# Altium PCB MB_PCB.PcbDoc (part 1 of 4)
Units mm, origin at the board's own origin, x right, y up, seen from the top; angles counter-clockwise.
Board outline 140 x 163 mm, 2 copper layers (Top Layer, Bottom Layer); 363 components, 293 nets, 1486 pads, 1369 vias.
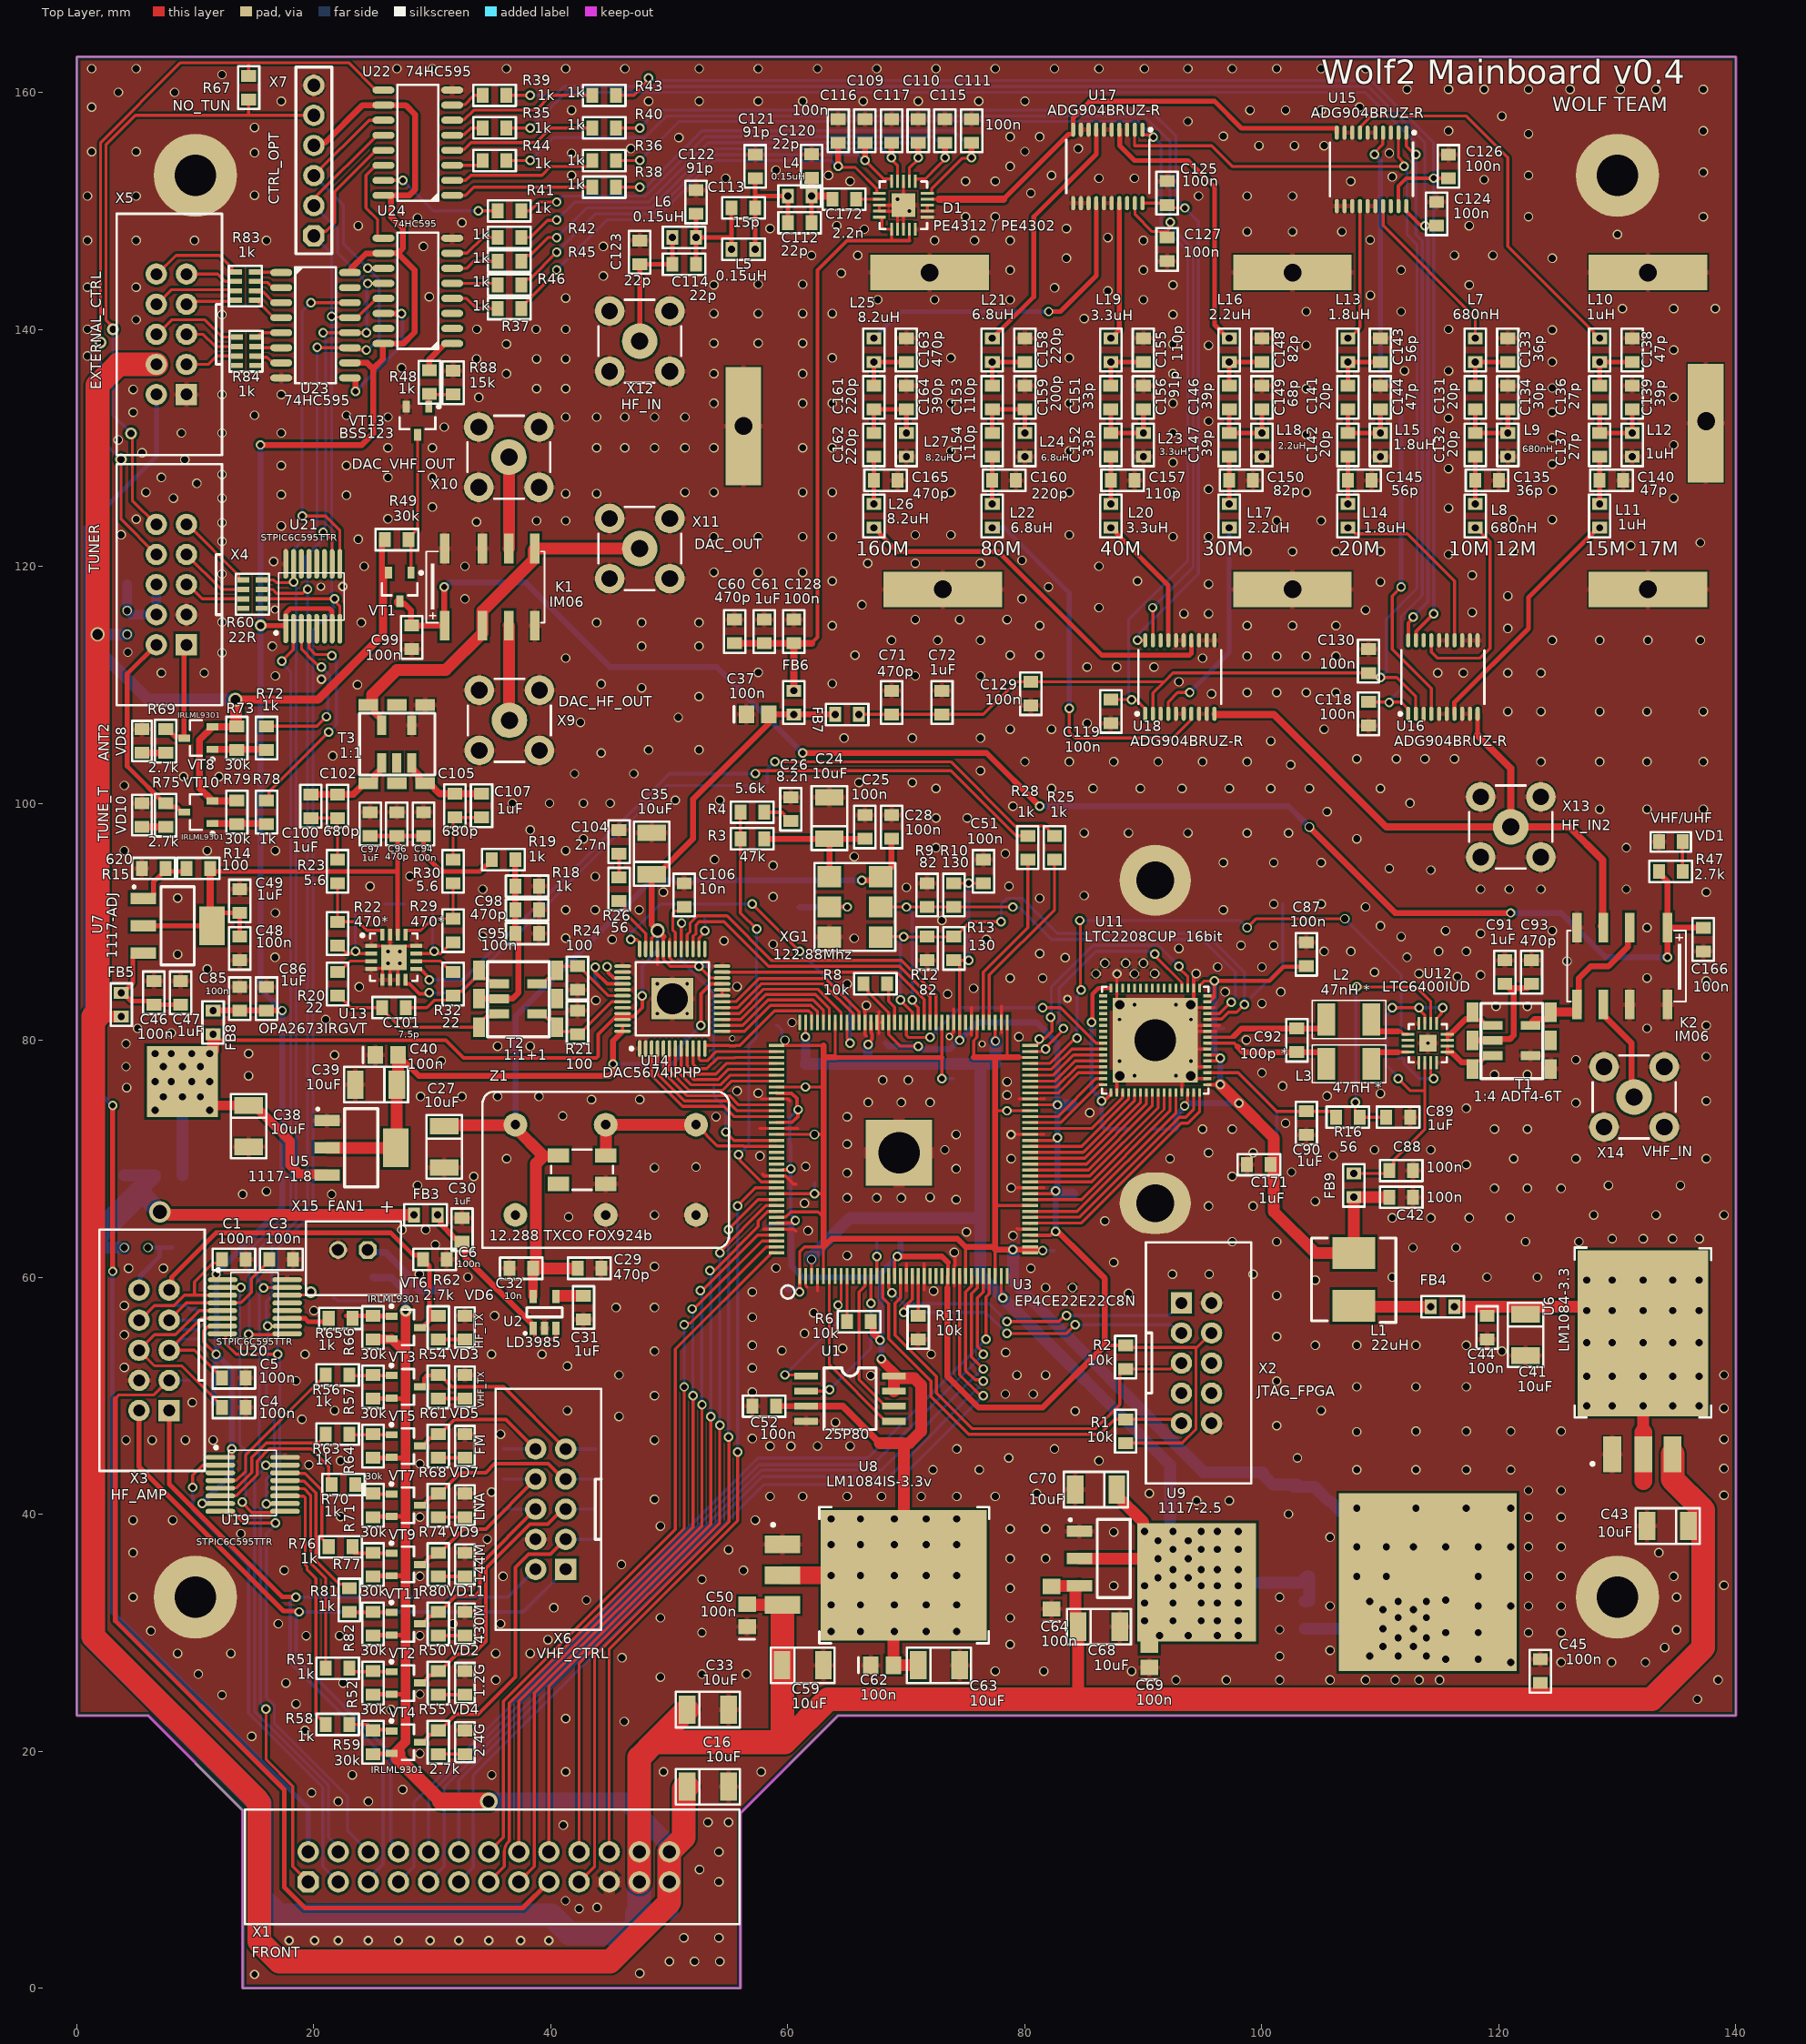
[diagram p0: Top Layer view]
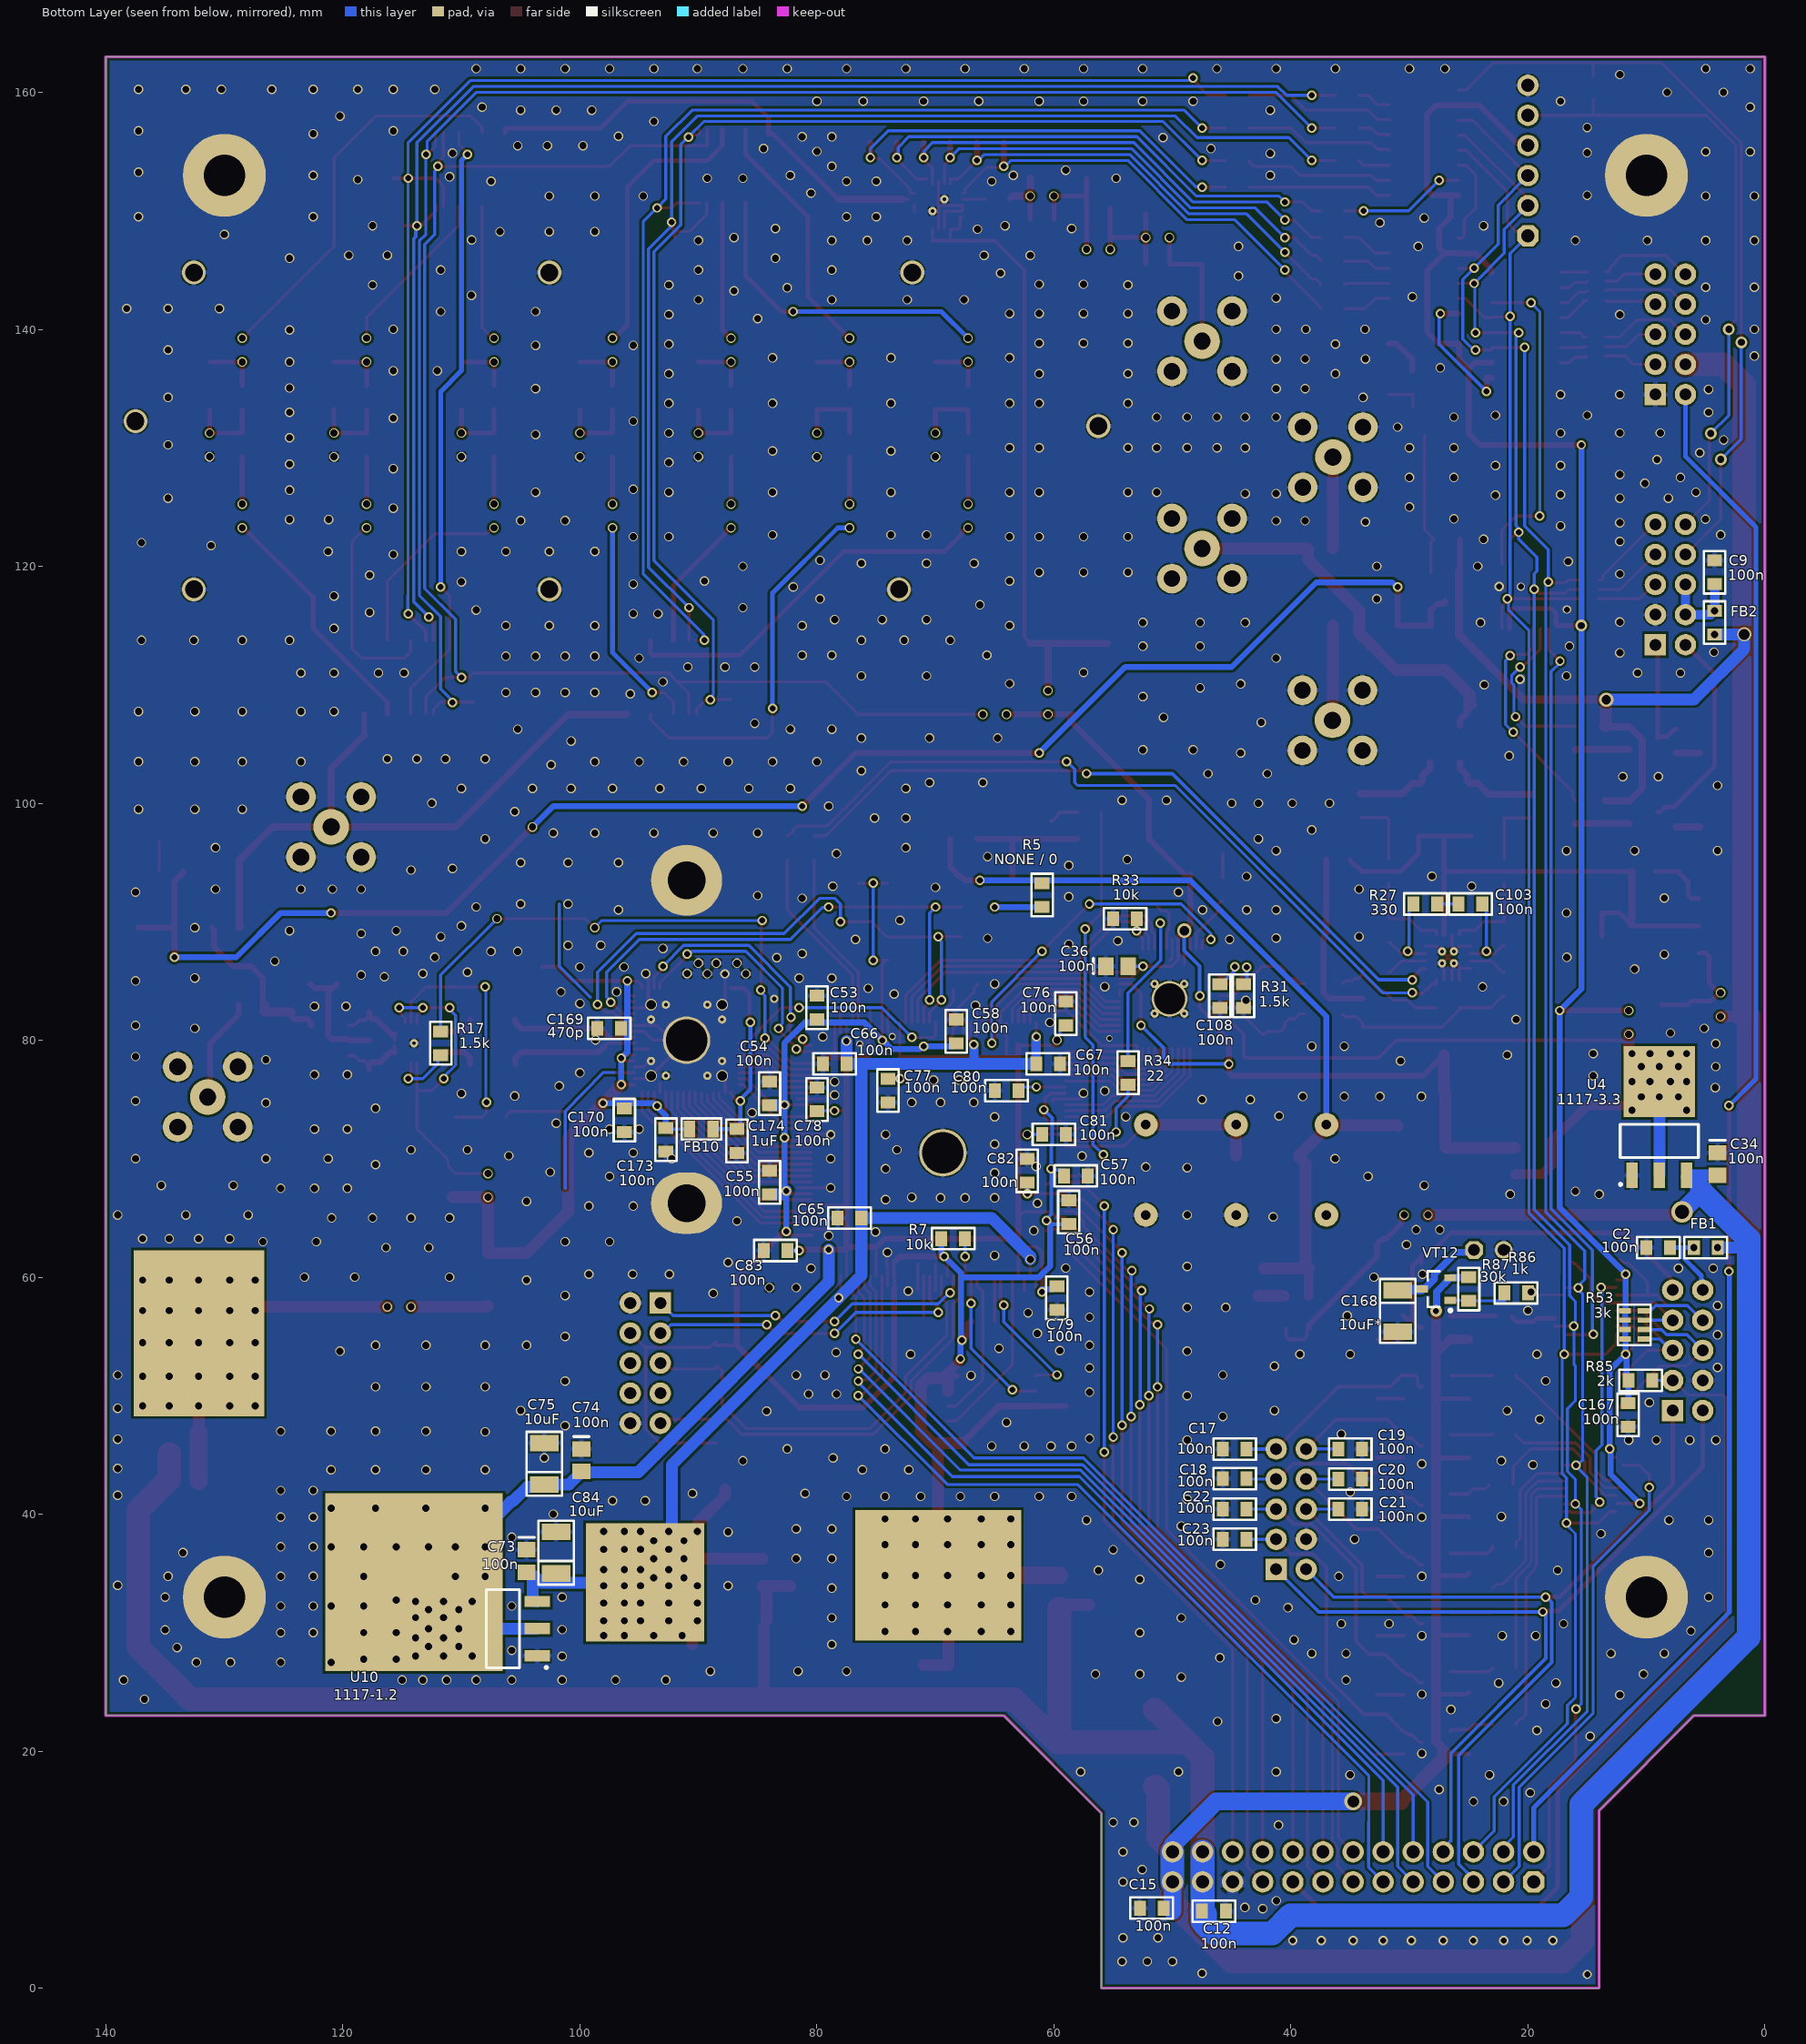
[diagram p1: Bottom Layer view, seen from below]
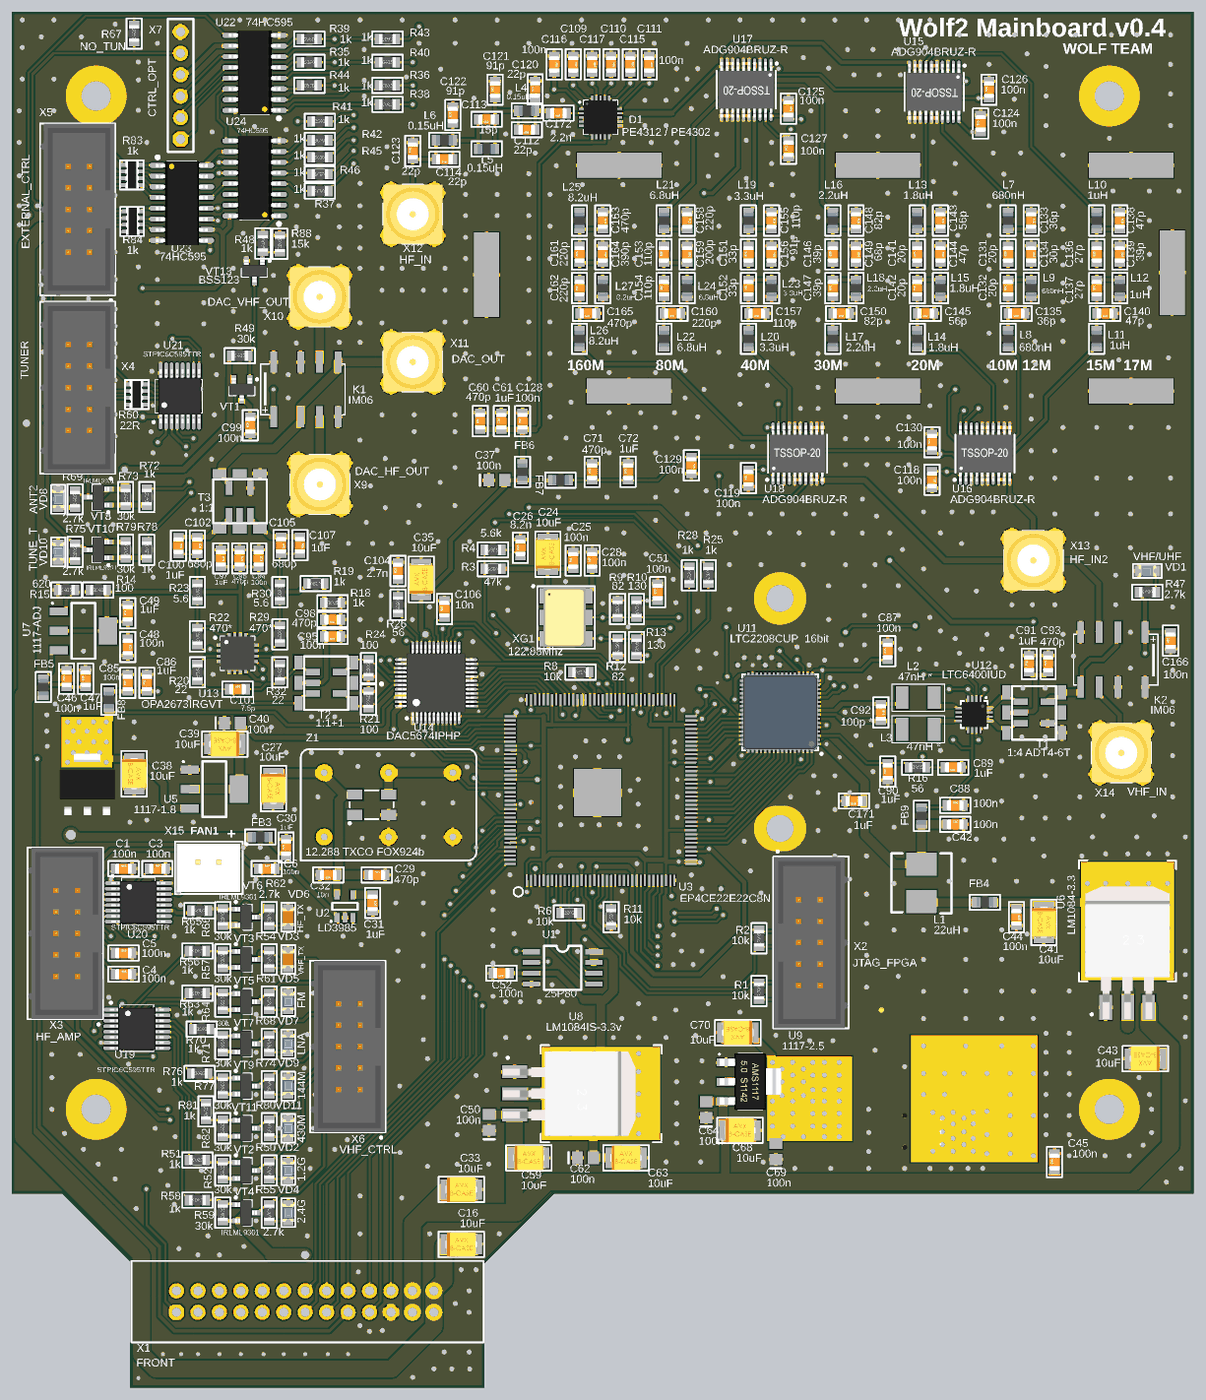
[diagram p5: 3D render of the assembled board from above, using the file's embedded part models]
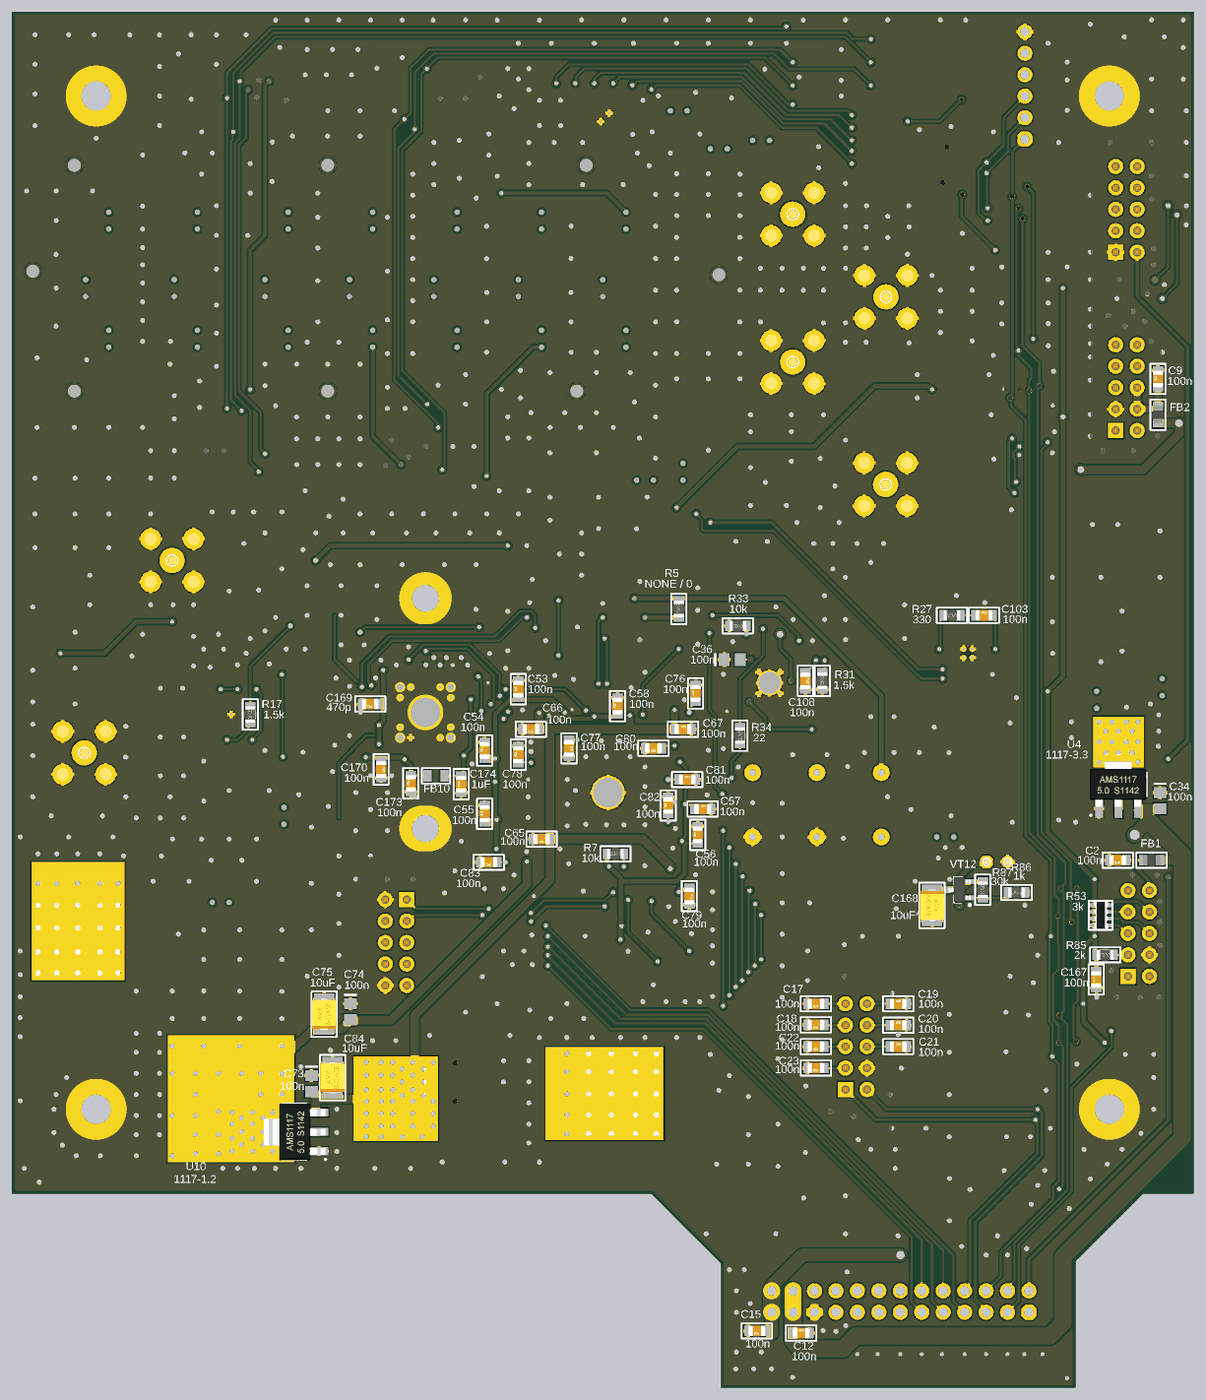
[diagram p6: 3D render of the assembled board from below, using the file's embedded part models]

## Layer stack, top to bottom
Top Solder: solder mask 0.0102, Solder Resist, Dk 3.5
Top Layer: signal copper 0.0356
Dielectric 1: dielectric 0.32, FR-4, Dk 4.8
Bottom Layer: signal copper 0.0356
Bottom Solder: solder mask 0.0102, Solder Resist, Dk 3.5

## Board outline
14,15 6,23 0,23 0,163 140,163 140,23 64.25,23 56,14.75 56,0 14,0

## Design rules (kind name [scope] priority, off if disabled: settings)
Clearance Power [InNetClass('Power')] p1: gap=0.254 ignorepadtopadclearanceinfootprint=FALSE
Clearance [All] p2: gap=0.2 ignorepadtopadclearanceinfootprint=FALSE
PlaneConnect [All] p1: planeconnectstyle=Relief reliefexpansion=0.508 reliefentries=4 reliefconductorwidth=0.254 reliefairgap=0.127
PolygonConnect [All] p1: connectstyle=Relief reliefconductorwidth=0.4 reliefentries=4 polygonreliefangle="90 Angle" airgapwidth=0.127
RoutingVias [All] p1: holewidth=0.711 width=1.27 viastyle="Through Hole" minholewidth=0.711 minwidth=1.27 maxholewidth=0.711 maxwidth=1.27
SolderMaskExpansion [All] p1: expansion=0.102 istentingtop=FALSE
Width Width_Power_2 [All] p1: maxlimit=2 minlimit=0.254 preferedwidth=0.8
Width Width_Power [InNetClass('Power')] p2: maxlimit=2 minlimit=0.254 preferedwidth=2
Width [All] p3: maxlimit=2 minlimit=0.254 preferedwidth=0.4
29 further rules are at their usual default settings.

## Classes and differential pairs
component class MB_RF: C109 C110 C111 C112 C113 C114 C115 C116 C117 C118 C119 C120 C121 C122 C123 C124 C125 C126 C127 C128 C129 C130 C131 C132 C133 C134 C135 C136 C137 C138 C139 C140 C141 C142 C143 C144 C145 C146 C147 C148 C149 C150 C151 C152 C153 C154 C155 C156 C157 C158 C159 C160 C161 C162 C163 C164 C165 C166 C172 D1 K2 L4 L5 L6 L7 L8 L9 L10 L11 L12 L13 L14 L15 L16 L17 L18 L19 L20 L21 L22 L23 L24 L25 L26 L27 R35 R36 R37 R38 R39 R40 R41 R42 R43 R44 R45 R46 U15 U16 U17 U18 X12 X13 X14
component class MB_Power: C33 C34 C35 C36 C37 C38 C39 C40 C41 C42 C43 C44 C45 C46 C47 C48 C49 C50 C51 C52 C53 C54 C55 C56 C57 C58 C59 C60 C61 C62 C63 C64 C65 C66 C67 C68 C69 C70 C71 C72 C73 C74 C75 C76 C77 C78 C79 C80 C81 C82 C83 C84 C85 C86 FB4 FB5 FB6 FB7 FB8 L1 R14 R15 U4 U5 U6 U7 U8 U9 U10
component class MB_FPGA: C24 C25 C26 C27 C28 C29 C30 C31 C32 FB3 R3 R4 R5 R6 R7 R8 R9 R10 R11 R12 R13 U1 U2 U3 XG1 Z1
component class MB_DAC: C94 C95 C96 C97 C98 C99 C100 C101 C102 C103 C104 C105 C106 C107 C108 K1 R18 R19 R20 R21 R22 R23 R24 R25 R26 R27 R28 R29 R30 R31 R32 R33 R34 T2 T3 U13 U14 X9 X10 X11
component class MB_Control: C168 R47 R48 R49 R50 R51 R52 R53 R54 R55 R56 R57 R58 R59 R60 R61 R62 R63 R64 R65 R66 R67 R68 R69 R70 R71 R72 R73 R74 R75 R76 R77 R78 R79 R80 R81 R82 R83 R84 R86 R87 R88 U19 U20 U21 U22 U23 U24 VD1 VD2 VD3 VD4 VD5 VD6 VD7 VD8 VD9 VD10 VD11 VT1 VT2 VT3 VT4 VT5 VT6 VT7 VT8 VT9 VT10 VT11 VT12 VT13 X15
component class MB_Conn: C1 C2 C3 C4 C5 C6 C9 C12 C15 C16 C17 C18 C19 C20 C21 C22 C23 C167 FB1 FB2 R1 R2 R85 X1 X2 X3 X4 X5 X6 X7
component class MB_ADC: C87 C88 C89 C90 C91 C92 C93 C169 C170 C171 C173 C174 FB9 FB10 L2 L3 R16 R17 T1 U11 U12

## Components (designator, comment, footprint, x,y, rotation, side; value= is the part's Value field where it differs from the comment)
C1 "100n" CH0805C 13.25,61.5 r0 top
C2 "100n" CH0805C 9,62.5 r0 bottom
C3 "100n" CH0805C 17.25,61.5 r0 top
C4 "100n" CH0805C 13.25,49 r0 top
C5 "100n" CH0805C 13.25,51.5 r0 top
C6 "100n" CH0805C 30.2,61.5 r0 top
C9 "100n" CH0805C 4.25,119.5 r90 bottom
C12 "100n" CH0805C 46.5,6.5 r180 bottom
C15 "100n" CH0805C 51.75,6.75 r0 bottom
C16 "10uF" TANTAL_B 53.25,17 r0 top
C17 "100n" CH0805C 44.75,45.5 r0 bottom
C18 "100n" CH0805C 44.75,43 r0 bottom
C19 "100n" CH0805C 35,45.5 r180 bottom
C20 "100n" CH0805C 35,42.96 r180 bottom
C21 "100n" CH0805C 35,40.42 r180 bottom
C22 "100n" CH0805C 44.75,40.42 r0 bottom
C23 "100n" CH0805C 44.75,37.88 r0 bottom
C24 "10uF" TANTAL_B 63.5,98.75 r90 top
C25 "100n" CH0805C 66.5,98 r90 top
C26 "8.2n" CH0805C 60.25,99.5 r90 top
C27 "10uF" TANTAL_B 31,71 r270 top
C28 "100n" CH0805C 68.75,98 r90 top
C29 "470p" CH0805C 43.25,60.75 r0 top
C30 "1uF" CH0805C 32.5,64 r90 top
C31 "1uF" CH0805C 42.75,57.435 r270 top
C32 "10n" CH0805C 37.5,60.75 r180 top
C33 "10uF" TANTAL_B 53.25,23.5 r0 top
C34 "100n" CAP_0805 4,69.75 r270 bottom
C35 "10uF" TANTAL_B 48.5,95.75 r90 top
C36 "100n" CAP_0805 54.875,86.25 r180 bottom
C37 "100n" CAP_0805 57.25,107.5 r0 top
C38 "10uF" TANTAL_B 14.5,72.75 r270 top
C39 "10uF" TANTAL_B 25.25,76.25 r180 top
C40 "100n" CAP_0805 25.95,78.75 r0 top
C41 "10uF" TANTAL_B 122.25,55.133 r270 top
C42 "100n" CH0805C 111.75,66.746 r0 top
C43 "10uF" TANTAL_B 134.25,39 r180 top
C44 "100n" CH0805C 119,55.75 r270 top
C45 "100n" CH0805C 123.5,26.75 r90 top
C46 "100n" CH0805C 6.5,84 r90 top
C47 "1uF" CH0805C 8.75,84 r90 top
C48 "100n" CH0805C 13.75,87.75 r270 top
C49 "1uF" CH0805C 13.75,91.75 r90 top
C50 "100n" CAP_0805 56.55,31.25 r90 top
C51 "100n" CH0805C 76.5,94.25 r90 top
C52 "100n" CH0805C 58,49.115 r180 top
C53 "100n" CH0805C 80,82.75 r90 bottom
C54 "100n" CH0805C 84,75.5 r90 bottom
C55 "100n" CH0805C 84,68 r90 bottom
C56 "100n" CH0805C 58.75,65.5 r90 bottom
C57 "100n" CH0805C 58.158,68.55 r180 bottom
C58 "100n" CH0805C 68.25,80.75 r90 bottom
C59 "10uF" TANTAL_B 61.25,27.25 r0 top
C60 "470p" CH0805C 55.5,114.5 r90 top
C61 "1uF" CH0805C 58,114.5 r90 top
C62 "100n" CAP_0805 67.75,27.25 r0 top
C63 "10uF" TANTAL_B 72.75,27.25 r0 top
C64 "100n" CAP_0805 82.25,32.75 r90 top
C65 "100n" CH0805C 77.25,65 r0 bottom
C66 "100n" CH0805C 78.5,78 r0 bottom
C67 "100n" CH0805C 60.5,78 r180 bottom
C68 "10uF" TANTAL_B 86.25,30.5 r0 top
C69 "100n" CAP_0805 90.5,27.8 r90 top
C70 "10uF" TANTAL_B 86,42.076 r180 top
C71 "470p" CH0805C 68.75,108.5 r90 top
C72 "1uF" CH0805C 73,108.5 r90 top
C73 "100n" CAP_0805 104.5,36.25 r270 bottom
C74 "100n" CAP_0805 99.877,44.75 r270 bottom
C75 "10uF" TANTAL_B 103,44.25 r90 bottom
C76 "100n" CH0805C 59,82.25 r90 bottom
C77 "100n" CH0805C 74,75.75 r270 bottom
C78 "100n" CH0805C 80,75 r90 bottom
C79 "100n" CH0805C 59.75,58.25 r270 bottom
C80 "100n" CH0805C 64,75.75 r0 bottom
C81 "100n" CH0805C 60,72.05 r180 bottom
C82 "100n" CH0805C 62.25,68.984 r90 bottom
C83 "100n" CH0805C 83.5,62.25 r0 bottom
C84 "10uF" TANTAL_B 102,36.75 r90 bottom
C85 "100n" CH0805C 13.75,83.5 r90 top
C86 "1uF" CH0805C 16,83.5 r90 top
C87 "100n" CH0805C 103.75,87.25 r90 top
C88 "100n" CH0805C 111.75,69 r0 top
C89 "1uF" CH0805C 111.5,73.5 r180 top
C90 "1uF" CH0805C 103.75,73 r90 top
C91 "1uF" CH0805C 120.5,85.75 r90 top
C92 "100p *" CH0805C 102.946,80 r270 top
C93 "470p" CH0805C 122.75,85.75 r90 top
C94 "100n" CH0805C 29.25,98.25 r270 top
C95 "100n" CH0805C 38,89 r180 top
C96 "470p" CH0805C 27,98.25 r270 top
C97 "1uF" CH0805C 24.75,98.25 r270 top
C98 "470p" CH0805C 38,91 r180 top
C99 "100n" CH0805C 28.25,114 r90 top
C100 "1uF" CH0805C 19.75,99.75 r270 top
C101 "7.5p" CH0805C 26.75,82.75 r0 top
C102 "680p" CH0805C 22,99.75 r270 top
C103 "100n" CH0805C 24.85,91.5 r180 bottom
C104 "2.7n" CH0805C 45.75,96.75 r90 top
C105 "680p" CH0805C 31.9,99.8 r270 top
C106 "10n" CH0805C 51.25,92.25 r90 top
C107 "1uF" CH0805C 34.15,99.8 r270 top
C108 "100n" CH0805C 46,83.735 r270 bottom
C109 "100n" CH0805C 66.5,156.75 r270 top
C110 "100n" CH0805C 71,156.75 r270 top
C111 "100n" CH0805C 75.5,156.75 r270 top
C112 "22p" CH0805C 61,149 r180 top
C113 "15p" CH0805C 56.25,150.25 r180 top
C114 "22p" CH0805C 51.25,145.496 r180 top
C115 "100n" CH0805C 73.25,156.75 r270 top
C116 "100n" CH0805C 64.25,156.75 r270 top
C117 "100n" CH0805C 68.75,156.75 r270 top
C118 "100n" CH0805C 109,107.55 r270 top
C119 "100n" CH0805C 87.25,107.75 r90 top
C120 "22p" CH0805C 62,153.773 r90 top
C121 "91p" CH0805C 57.25,153.75 r90 top
C122 "91p" CH0805C 52.25,150.75 r90 top
C123 "22p" CH0805C 47.5,146.5 r90 top
C124 "100n" CH0805C 114.75,149.75 r90 top
C125 "100n" CH0805C 92,151.5 r270 top
C126 "100n" CH0805C 115.75,153.75 r90 top
C127 "100n" CH0805C 92,146.75 r90 top
C128 "100n" CH0805C 60.5,114.5 r90 top
C129 "100n" CH0805C 80.5,109.25 r270 top
C130 "100n" CH0805C 109,112 r90 top
C131 "20p" CH0805C 118,134.25 r90 top
C132 "20p" CH0805C 118,130.25 r90 top
C133 "36p" CH0805C 120.75,138.25 r270 top
C134 "30p" CH0805C 120.75,134.25 r270 top
C135 "36p" CH0805C 119,127.25 r180 top
C136 "27p" CH0805C 128.5,134.25 r90 top
C137 "27p" CH0805C 128.5,130.25 r90 top
C138 "47p" CH0805C 131.25,138.25 r270 top
C139 "39p" CH0805C 131.25,134.25 r270 top
C140 "47p" CH0805C 129.5,127.25 r180 top
C141 "20p" CH0805C 107.25,134.25 r90 top
C142 "20p" CH0805C 107.25,130.25 r90 top
C143 "56p" CH0805C 110,138.25 r270 top
C144 "47p" CH0805C 110,134.25 r270 top
C145 "56p" CH0805C 108.25,127.25 r180 top
C146 "39p" CH0805C 97.25,134.25 r90 top
C147 "39p" CH0805C 97.25,130.25 r90 top
C148 "82p" CH0805C 100,138.25 r270 top
C149 "68p" CH0805C 100,134.25 r270 top
C150 "82p" CH0805C 98.25,127.25 r180 top
C151 "33p" CH0805C 87.249,134.25 r90 top
C152 "33p" CH0805C 87.25,130.25 r90 top
C153 "110p" CH0805C 77.25,134.25 r90 top
C154 "110p" CH0805C 77.25,130.25 r90 top
C155 "110p" CH0805C 90,138.25 r270 top
C156 "91p" CH0805C 90,134.25 r270 top
C157 "110p" CH0805C 88.25,127.25 r180 top
C158 "220p" CH0805C 80,138.25 r270 top
C159 "200p" CH0805C 80,134.25 r270 top
C160 "220p" CH0805C 78.25,127.25 r180 top
C161 "220p" CH0805C 67.25,134.25 r90 top
C162 "220p" CH0805C 67.25,130.25 r90 top
C163 "470p" CH0805C 70,138.25 r270 top
C164 "390p" CH0805C 70,134.25 r270 top
C165 "470p" CH0805C 68.25,127.25 r180 top
C166 "100n" CH0805C 137.25,88.5 r90 top
C167 "100n" CH0805C 11.55,48.377 r90 bottom
C168 "10uF*" TANTAL_B 31,57.149 r270 bottom
C169 "470p" CH0805C 97.529,81 r0 bottom
C170 "100n" CH0805C 96.25,73.25 r270 bottom
C171 "1uF" CH0805C 99.75,69.5 r180 top
C172 "2.2n" CH0805C 64.75,150.975 r180 top
C173 "100n" CH0805C 92.75,71.6 r90 bottom
C174 "1uF" CH0805C 86.75,71.5 r90 bottom
D1 "PE4312 / PE4302" "20-QFN (4x4)" 69.75,150.475 r0 top
FB1 "BLM21" CH0805L 5,62.5 r0 bottom
FB2 "BLM21" CH0805L 4.25,115.25 r90 bottom
FB3 "BLM21" CH0805L 29.438,65.25 r180 top
FB4 "BLM21" CH0805L 115.25,57.5 r0 top
FB5 "BLM21" CH0805L 3.75,83 r270 top
FB6 "BLM21" CH0805L 60.5,108.5 r270 top
FB7 "BLM21" CH0805L 65,107.5 r180 top
FB8 "BLM21" CH0805L 11.5,81.5 r270 top
FB9 "BLM21" CH0805L 107.75,67.75 r90 top
FB10 "BLM21" CH0805F 89.75,72.5 r0 bottom
K1 "IM06" IM06 34.5,118.25 r0 top
K2 "IM06" IM06 130.75,86.25 r180 top
L1 "22uH" IND_7x7 107.75,59.75 r90 top
L2 "47nH *" CH1210L 104.45,80.4 r0 top
L3 "47nH *" CH1210L 104.45,76.65 r0 top
L4 "0.15uH" CH0805L 61,151.25 r0 top
L5 "0.15uH" CH0805L 56.25,146.75 r0 top
L6 "0.15uH" CH0805L 51.25,147.75 r0 top
L7 "680nH" CH0805L 118,138.25 r90 top
L8 "680nH" CH0805L 118,124.25 r90 top
L9 "680nH" CH0805L 120.75,130.25 r90 top
L10 "1uH" CH0805L 128.5,138.25 r90 top
L11 "1uH" CH0805L 128.5,124.25 r90 top
L12 "1uH" CH0805L 131.25,130.25 r90 top
L13 "1.8uH" CH0805L 107.25,138.25 r90 top
L14 "1.8uH" CH0805L 107.25,124.25 r90 top
L15 "1.8uH" CH0805L 110,130.25 r90 top
L16 "2.2uH" CH0805L 97.25,138.25 r90 top
L17 "2.2uH" CH0805L 97.25,124.25 r90 top
L18 "2.2uH" CH0805L 100,130.25 r90 top
L19 "3.3uH" CH0805L 87.25,138.25 r90 top
L20 "3.3uH" CH0805L 87.25,124.25 r90 top
L21 "6.8uH" CH0805L 77.25,138.25 r90 top
L22 "6.8uH" CH0805L 77.25,124.25 r90 top
L23 "3.3uH" CH0805L 90,130.25 r90 top
L24 "6.8uH" CH0805L 80,130.25 r90 top
L25 "8.2uH" CH0805L 67.25,138.25 r90 top
L26 "8.2uH" CH0805L 67.25,124.25 r90 top
L27 "8.2uH" CH0805L 70,130.25 r90 top
R1 "10k" CH0805R 88.5,47 r270 top
R2 "10k" CH0805R 88.5,53.25 r90 top
R3 "47k" CH0805R 57,97 r180 top
R4 "5.6k" CH0805R 57,99.25 r0 top
R5 "NONE / 0" CH0805R 61,92.25 r90 bottom
R6 "10k" CH0805R 66,56.25 r0 top
R7 "10k" CH0805R 68.5,63.25 r0 bottom
R8 "10k" CH0805R 67.375,84.757 r0 top
R9 "82" CH0805R 71.75,92.25 r90 top
R10 "130" CH0805R 74.004,92.25 r270 top
R11 "10k" CH0805R 71,55.75 r270 top
R12 "82" CH0805R 71.75,87.75 r270 top
R13 "130" CH0805R 74.004,87.75 r90 top